# Altium PCB DM1098FFC.PcbDoc (part 1 of 3) (continued)
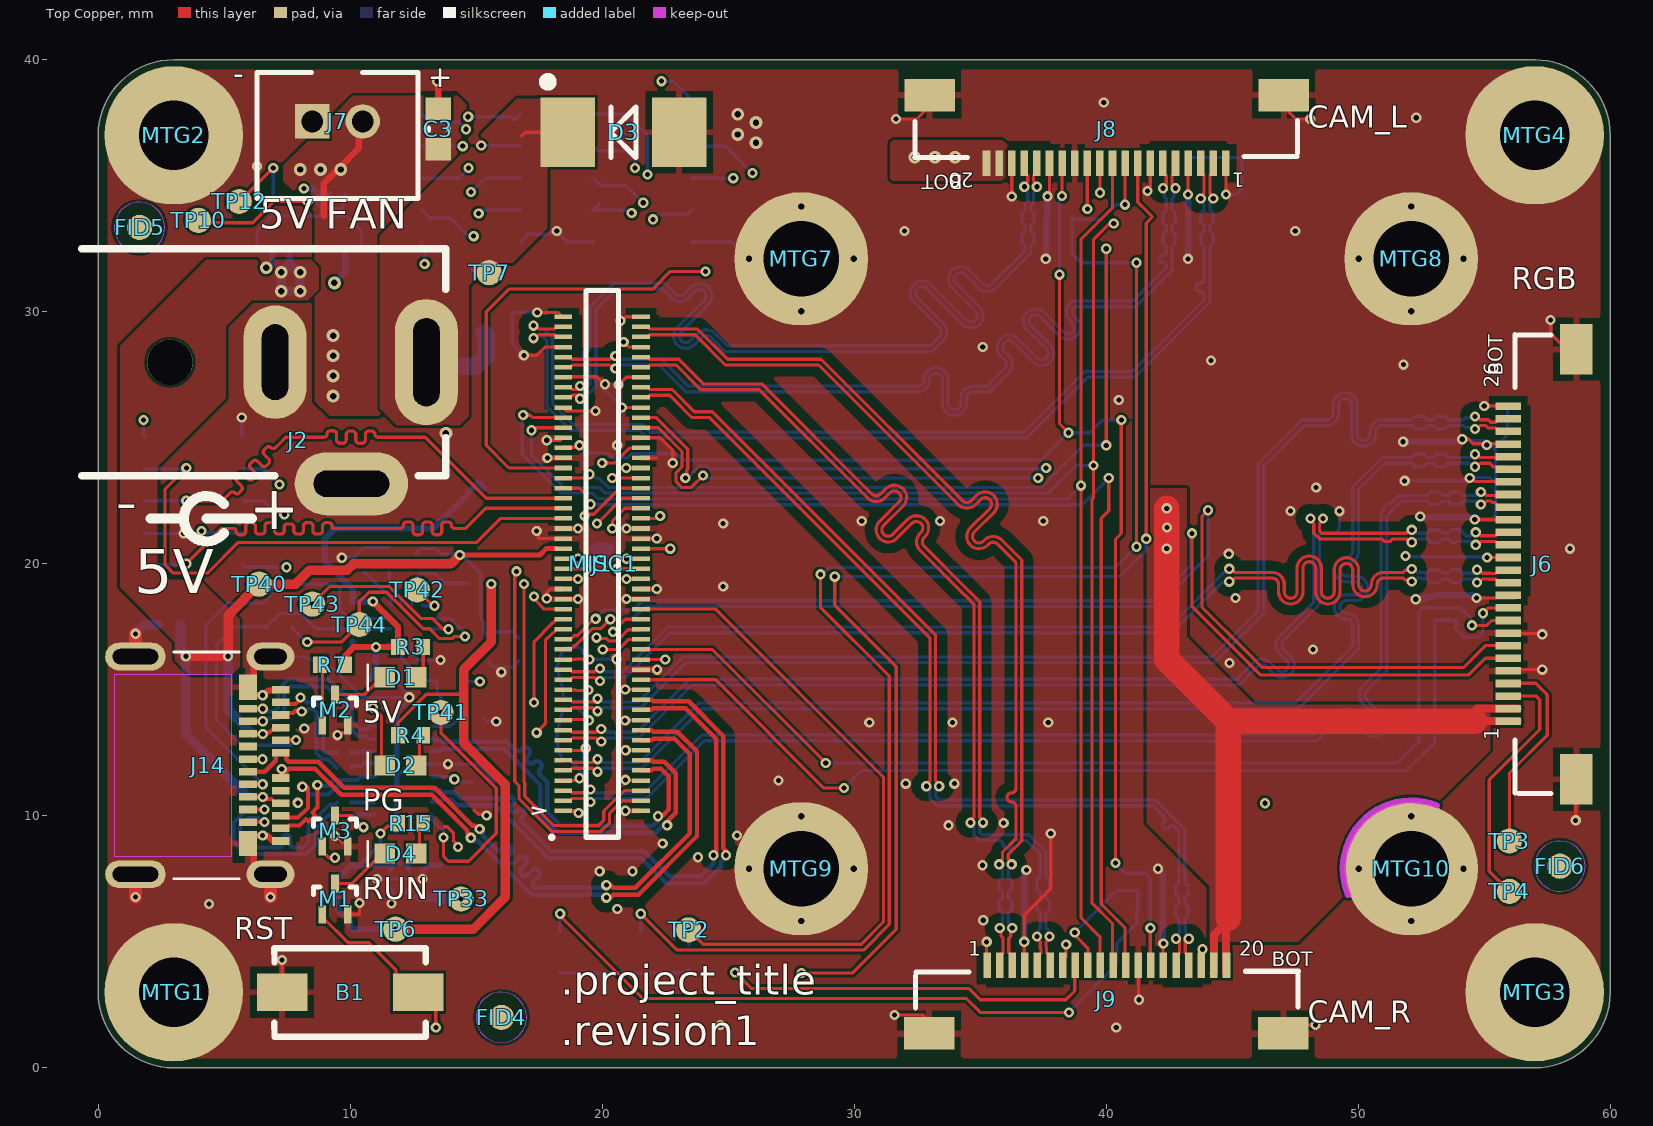
[diagram p0: Top Copper view]
## Components (designator, comment, footprint, x,y, rotation, side; value= is the part's Value field where it differs from the comment) (continued)
R12 "0R 0603" RESC0603(1608)_N 18.333,4.571 r90 bottom
R15 "1K 0402" RESC0402(1005)_N 12.4,9.7 r180 top
R31 "10K 0402" RESC0402(1005)_N 10.55,20.15 r90 bottom
R32 "10K 0402" RESC0402(1005)_N 11.55,20.15 r90 bottom
R183 "10K 0402" RESC0402(1005)_N 15.5,16.6 r90 bottom
R185 "10K 0402" RESC0402(1005)_N 14.8,13.9 r0 bottom
R186 "10K 0402" RESC0402(1005)_N 13.95,15.325 r0 bottom
R187 "1.8MR 0402" RESC0402(1005)_N 12.6,19.9 r270 bottom
R190 "1.8MR 0402" RESC0402(1005)_N 13.6,19.9 r270 bottom
R213 "10K 0402" RESC0402(1005)_N 9.6,16.9 r0 bottom
R214 "10K 0402" RESC0402(1005)_N 9.6,18.5 r0 bottom
RZ28 "10K 0402" RESC0402(1005)_N 7.2,17.5 r180 bottom
RZ29 "10K 0402" RESC0402(1005)_N 7.2,18.6 r180 bottom
TP1 "TP100_200_NS" TP100_200_NS 25.273,3.785 r180 bottom
TP2 "TP100_200_NS" TP100_200_NS 23.432,5.474 r180 top
TP3 "TP100_200_NS" TP100_200_NS 56,9 r180 top
TP4 "TP100_200_NS" TP100_200_NS 56,7 r180 top
TP5 "TP100_200_NS" TP100_200_NS 27.907,3.785 r180 bottom
TP6 "TP100_200_NS" TP100_200_NS 11.8,5.5 r90 top
TP7 "TP100_200_NS" TP100_200_NS 15.516,31.549 r0 top
TP10 "TP100_200_NS" TP100_200_NS 3.981,33.627 r90 top
TP12 "TP100_200_NS" TP100_200_NS 5.6,34.377 r90 top
TP33 "TP100_200_NS" TP100_200_NS 14.4,6.7 r90 top
TP40 "TP100_200_NS" TP100_200_NS 6.39,19.19 r180 top
TP41 "TP100_200_NS" TP100_200_NS 13.6,14.1 r90 top
TP42 "TP100_200_NS" TP100_200_NS 12.661,18.961 r90 top
TP43 "TP100_200_NS" TP100_200_NS 8.5,18.4 r90 top
TP44 "TP100_200_NS" TP100_200_NS 10.365,17.591 r0 top
U1 "TLV70733PDQN" TLV70733PDQN 11.97,7.49 r90 bottom
U2 "1.5A ideal diode" LM66100DCKR 9.8,33.58 r90 bottom
U3 "1.5A ideal diode" LM66100DCKR 6.95,33.58 r90 bottom
U61 "USB Type-C Switch" HD3SS3212RKSR 12.1,11.8 r180 bottom
U62 "USB Type-C Port Control" TUSB321RWBR 12.25,17.625 r270 bottom

## Footprints (in the part's own frame and the unit in brackets; to place one, negate y for a bottom-side part, rotate by r counter-clockwise, add the part's x,y. Pads: shape width x height; smd on the part's side, far side on the other; paste and mask are expansions set on the pad)
1SMB5919BT3G [mm] "Molded, 2-Leads, Body 4.6x3.95mm"
  rect 2.159x2.743 smd: 1(-2.21,0) 2(2.21,0)
  silkscreen extent -3.1,-1 0.5,2.1, body extent -2.3,-1.97 2.3,1.97, height 2.42
105450-0101 [mm] "USB3.1 Type-C Molex SMT, RA, TH"
  rect 0.3x0.7 smd mask+0.05: A1(-3,0.65) A2(-2.5,0.65) A3(-2,0.65) A4(-1.5,0.65) A5(-1,0.65) A6(-0.5,0.65) A7(0.5,0.65) A8(1,0.65) A9(1.5,0.65) A10(2,0.65) A11(2.5,0.65) A12(3,0.65) B2(2.25,-0.65) B3(1.75,-0.65) B4(1.25,-0.65) B5(0.75,-0.65) B6(0.25,-0.65) B7(-0.25,-0.65) B8(-0.75,-0.65) B9(-1.25,-0.65) B10(-1.75,-0.65) B11(-2.25,-0.65)
  rect 1x0.7 smd mask+0.05: B1(3.1,-0.65) B12(-3.1,-0.65)
  oval 1.1x1.9 hole 0.6 slot 1.3 at 90 deg mask+0.05: SH1(-4.32,0.24) SH4(4.32,0.24)
  oval 1.1x2.4 hole 0.6 slot 1.8 at 90 deg mask+0.05: SH2(-4.32,-5.12) SH3(4.32,-5.12)
  Top Copper keep-out region: -3.6,-5.95 3.6,-5.95 3.6,-1.3 -3.6,-1.3
  silkscreen extent -4.5,-3.6 4.5,-1, body extent -4.47,-7.02 4.47,0.88, height 3.2
20021121-00010T1LF [mm] "Connector Header Surface Mount 10 position 0.050\" (1.27mm)   Contact length: 0.120\" (3.05mm)"
  rect 0.76x2.4 smd: 1(-2.54,-1.95) 2(-2.54,1.95) 3(-1.27,-1.95) 4(-1.27,1.95) 5(0,-1.95) 6(0,1.95) 7(1.27,-1.95) 8(1.27,1.95) 9(2.54,-1.95) 10(2.54,1.95)
  body extent -3.18,-2.75 3.17,2.75, height 4.55
5052782033 [mm] "20pin Molex FFC 0.5mm TOP"
  rect 0.3x1 smd: 1(-4.728,1.35) 2(-4.229,1.35) 3(-3.728,1.35) 4(-3.229,1.35) 5(-2.729,1.35) 6(-2.228,1.35) 7(-1.729,1.35) 8(-1.228,1.35) 9(-0.728,1.35) 10(-0.229,1.35) 11(0.272,1.35) 12(0.771,1.35) 13(1.272,1.35) 14(1.772,1.35) 15(2.271,1.35) 16(2.772,1.35) 17(3.271,1.35) 18(3.772,1.35) 19(4.272,1.35) 20(4.771,1.35)
  rect 2x1.3 smd: MP1(-7.029,-1.35) MP2(7.029,-1.35)
  silkscreen extent -7.57,-0.35 7.62,1.11, body extent -7.76,-3.66 7.74,1.64, height 1.88
5052782633 [mm] "26pin Molex FFC 0.5mm TOP"
  rect 0.3x1 smd: 1(0,0) 2(0.5,0) 3(1,0) 4(1.5,0) 5(2,0) 6(2.5,0) 7(3,0) 8(3.5,0) 9(4,0) 10(4.5,0) 11(5,0) 12(5.5,0) 13(6,0) 14(6.5,0) 15(7,0) 16(7.5,0) 17(8,0) 18(8.5,0) 19(9,0) 20(9.5,0) 21(10,0) 22(10.5,0) 23(11,0) 24(11.5,0) 25(12,0) 26(12.5,0)
  rect 2x1.3 smd: MP1(-2.3,-2.7) MP2(14.757,-2.7)
  silkscreen extent -2.87,-1.7 15.34,-0.27, body extent -3.01,-5.08 15.49,0.22, height 1.88
9774030243R [mm] "STANDOFF_M2X0.4_3MM with no pad on bottom of PCB"
  round 5.3 / inner round 2.7 / far side round 2.7 hole 3 mask+0.05: 1(0,0)
  body extent -2.17,-2.17 2.18,2.17, height 3.05
B2B-PH-K-S(LF)(SN) [mm] "3.4mm pins, 6mm housing"
  rect 1.368x1.368 hole 0.86: P1(1,-0.55)
  round 1.368 hole 0.86: P2(-1,-0.55)
  silkscreen extent -3.2,-2.5 3.2,2.5, body extent -2.95,-2.25 2.95,2.25, height 6
BW1099_R3_KTHSNF_Footprint [mm] "Graphical/Mechanical footprint for BW1099"
  body extent -35,-15 5,15, height 19
CAPC0201(0603)33_L [mm] "Chip Capacitor, Body 0.6x0.3mm, Height 0.33mm, IPC High Density"
  rect 0.36x0.32 smd: 1(-0.28,0) 2(0.28,0)
  body extent -0.32,-0.17 0.32,0.17, height 0.33
CAPC0402(1005)70_N [mm] "Chip Capacitor, Body 1.0x0.5mm, Height 0.7mm, IPC Medium Density"
  rect 0.62x0.62 smd: 1(-0.45,0) 2(0.45,0)
  body extent -0.55,-0.3 0.55,0.3, height 0.7
CAPC0603(1608)100_N [mm] "Chip Capacitor, Body 1.6x0.8mm, Height 1.0mm, IPC Medium Density"
  rect 0.9x1 smd: 1(-0.8,0) 2(0.8,0)
  silkscreen extent -0.05,-0.4 0.05,0.4, body extent -0.87,-0.48 0.88,0.47, height 1
DF40HC-3.0-100DS-0.4V_minpad [mm] "3.0MM MATED HEIGHT CONN HDR 100POS 0.4MM SMD GOLD"
  rect 0.7x0.18 smd: 1(1.54,9.8) 2(-1.54,9.8) 3(1.54,9.4) 4(-1.54,9.4) 5(1.54,9) 6(-1.54,9) 7(1.54,8.6) 8(-1.54,8.6) 9(1.54,8.2) 10(-1.54,8.2) 11(1.54,7.8) 12(-1.54,7.8) 13(1.54,7.4) 14(-1.54,7.4) 15(1.54,7) 16(-1.54,7) 17(1.54,6.6) 18(-1.54,6.6) 19(1.54,6.2) 20(-1.54,6.2) 21(1.54,5.8) 22(-1.54,5.8) 23(1.54,5.4) 24(-1.54,5.4) 25(1.54,5) 26(-1.54,5) 27(1.54,4.6) 28(-1.54,4.6) 29(1.54,4.2) 30(-1.54,4.2) 31(1.54,3.8) 32(-1.54,3.8) 33(1.54,3.4) 34(-1.54,3.4) 35(1.54,3) 36(-1.54,3) 37(1.54,2.6) 38(-1.54,2.6) 39(1.54,2.2) 40(-1.54,2.2) 41(1.54,1.8) 42(-1.54,1.8) 43(1.54,1.4) 44(-1.54,1.4) 45(1.54,1) 46(-1.54,1) 47(1.54,0.6) 48(-1.54,0.6) 49(1.54,0.2) 50(-1.54,0.2) 51(1.54,-0.2) 52(-1.54,-0.2) 53(1.54,-0.6) 54(-1.54,-0.6) 55(1.54,-1) 56(-1.54,-1) 57(1.54,-1.4) 58(-1.54,-1.4) 59(1.54,-1.8) 60(-1.54,-1.8) 61(1.54,-2.2) 62(-1.54,-2.2) 63(1.54,-2.6) 64(-1.54,-2.6) 65(1.54,-3) 66(-1.54,-3) 67(1.54,-3.4) 68(-1.54,-3.4) 69(1.54,-3.8) 70(-1.54,-3.8) 71(1.54,-4.2) 72(-1.54,-4.2) 73(1.54,-4.6) 74(-1.54,-4.6) 75(1.54,-5) 76(-1.54,-5) 77(1.54,-5.4) 78(-1.54,-5.4) 79(1.54,-5.8) 80(-1.54,-5.8) 81(1.54,-6.2) 82(-1.54,-6.2) 83(1.54,-6.6) 84(-1.54,-6.6) 85(1.54,-7) 86(-1.54,-7) 87(1.54,-7.4) 88(-1.54,-7.4) 89(1.54,-7.8) 90(-1.54,-7.8) 91(1.54,-8.2) 92(-1.54,-8.2) 93(1.54,-8.6) 94(-1.54,-8.6) 95(1.54,-9) 96(-1.54,-9) 97(1.54,-9.4) 98(-1.54,-9.4) 99(1.54,-9.8) 100(-1.54,-9.8)
  silkscreen extent -0.65,-10.85 2.75,10.88, body extent -1.69,-11.31 1.69,11.29, height 2.85
DTSM-32N-V [mm] "tactile button 160gf"
  rect 2x1.5 smd: 1(-2.7,0) 2(2.7,0)
  silkscreen extent -3.01,-1.76 3,1.75, body extent -3.65,-1.75 3.65,1.75, height 5
FIDUCIAL_ROUND_1MM [mm] "Round, 1mm dia"
  round 1 smd paste-1 mask+0.5: 1(0,0)
  Top Copper keep-out circle w0.025: c0,0 r1
HD3SS3212RKSR [mm] "VQFN-20"
  rrect20% 0.25x0.6 smd mask+0.07: 1(-0.25,2.15) 10(-0.25,-2.15) 11(0.25,-2.15) 20(0.25,2.15)
  rrect20% 0.6x0.25 smd mask+0.07: 2(-1.15,1.75) 3(-1.15,1.25) 4(-1.15,0.75) 5(-1.15,0.25) 6(-1.15,-0.25) 7(-1.15,-0.75) 8(-1.15,-1.25) 9(-1.15,-1.75) 12(1.15,-1.75) 13(1.15,-1.25) 14(1.15,-0.75) 15(1.15,-0.25) 16(1.15,0.25) 17(1.15,0.75) 18(1.15,1.25) 19(1.15,1.75)
  rrect10% 1x3 smd paste-3 mask+0.07: 21(0,0)
  silkscreen extent -1.25,-2.25 1.25,2.53, body extent -1.25,-2.25 1.25,2.25, height 1
LM66100DCKR [mm] "SOT23, 6-Leads, Body 2.00x2.10mm, Pitch 0.65mm, IPC Medium Density"
  rect 0.85x0.35 smd: 1(-1.1,0.65) 2(-1.1,0) 3(-1.1,-0.65) 4(1.1,-0.65) 5(1.1,0) 6(1.1,0.65)
  silkscreen extent -1.22,-1.1 0.3,1.5, body extent -1.2,-1.07 1.2,1.07, height 1.1
MOUNTING_HOLE_M2.5 [mm] "2.7mm dia hole, 5.5mm dia ring"
  round 5.5 / inner round 3 / far side round 5.5 hole 2.75: 1(0,0)
PJ-050AH/NEB21R_COMBO [mm] "PJ-050AH or NEB21R 2.1mm ID, 5.5mm OD, 3pin, 2contact"
  round 0.6 on Top Overlay paste+0.05 mask+0.05: 0(6.21,-2.7)
  oval 5x2.5 hole 1.05 slot 3.5 at 0 deg mask+0.05: 1(0,6.025)
  oval 2.5x4.5 hole 1.05 slot 3 at 90 deg mask+0.05: 2(4.825,3.05)
  oval 4.5x2.5 hole 1.05 slot 3 at 0 deg mask+0.05: 3(0,0.025)
  round 1.8 hole 1.8 unplated: ""(0,-4.15)
  silkscreen extent -4.5,-7.65 7.11,6.8, body extent -4.5,-7.65 5.2,6.85, height 11.05
RE1C002UNTCL [mm] "ROHM SOT-416FL"
  rect 0.3x0.71 smd: 1(-0.5,-0.61) 2(0.5,-0.61) 3(0,0.61)
  silkscreen extent -0.85,0.18 0.85,0.48, body extent -0.95,-1.06 0.95,1.06, height 0.25
RESC0402(1005)_N [mm] "Chip Resistor, Body 1.0x0.5mm, IPC Medium Density"
  rect 0.55x0.65 smd: 1(-0.5,0) 2(0.5,0)
  body extent -0.52,-0.27 0.53,0.28, height 0.4
RESC0603(1608)_N [mm] "Chip Resistor, Body 1.6x0.8mm, IPC Medium Density"
  rect 0.9x1 smd: 1(-0.8,0) 2(0.8,0)
  silkscreen extent -0.05,-0.4 0.05,0.4, body extent -0.85,-0.47 0.85,0.47, height 0.6
SML_D1xx8W [mm] "Rohm LED SML_D1 series - Chip Diode, 2-Leads, Body 1.60x0.80mm, IPC High Density"
  rect 0.8x0.8 smd: 1(-0.625,0) 2(0.625,0)
  silkscreen extent -1.3,-0.5 -1.3,0.5, body extent -0.8,-0.4 0.8,0.4, height 0.6
TLV70733PDQN [mm] "DFN, 4-Leads, Body 1.00x1.00mm, Pitch 0.65mm, IPC High Density"
  rect 0.15x0.15 smd mask+0: 1(-0.51,0.33) 2(-0.51,-0.33) 3(0.51,-0.33)
  rect 0.15x0.15 smd paste+0 mask+0: 4(0.51,0.33)
  rect 0.48x0.48 smd rot 45 mask+0.05: 5(0,0)
  Top Copper region: 0.25,0.43 0.61,0.43 0.61,0.22 0.43,0.22 0.25,0.4
  Top Copper region: -0.25,-0.43 -0.61,-0.43 -0.61,-0.22 -0.43,-0.22 -0.25,-0.4
  Top Copper region: -0.25,0.43 -0.61,0.43 -0.61,0.22 -0.43,0.22 -0.25,0.4
  Top Copper region: 0.25,-0.43 0.61,-0.43 0.61,-0.22 0.43,-0.22 0.25,-0.4
  silkscreen extent -0.54,0.75 -0.48,0.8, body extent -0.5,-0.5 0.5,0.5, height 0.34
TP100_200_NS [mm] "1mm dia pad, 2mm dia clearance, no silk screen"
  round 1 smd paste-2: 1(0,0)
TPD4E02B04DQAR [mm] "TPD4E02B04DQAR"
  rrect50% 0.2x0.565 smd mask+0.07: 1(-1,-0.417) 2(-0.5,-0.417) 4(0.5,-0.417) 5(1,-0.417) 6(1,0.417) 7(0.5,0.417) 9(-0.5,0.417) 10(-1,0.417)
  rrect25% 0.4x0.565 smd mask+0.07: 3(0,-0.417) 8(0,0.417)
  silkscreen extent -1.4,-1.01 1.4,0.5, body extent -1.2,-0.71 1.2,0.71, height 0.55
TUSB321RWBR [mm] "X2QFN-12 1.6x1.6"
  rrect50% 0.2x0.7 smd mask+0.05: 1(0.2,0.65) 2(-0.2,0.65) 7(-0.2,-0.65) 8(0.2,-0.65)
  rrect50% 0.5x0.2 smd mask+0.05: 3(-0.75,0.6) 4(-0.75,0.2) 5(-0.75,-0.2) 6(-0.75,-0.6) 9(0.75,-0.6) 10(0.75,-0.2) 11(0.75,0.2) 12(0.75,0.6)
  silkscreen extent 0.57,0.97 0.63,1.03, body extent -0.8,-0.8 0.8,0.8, height 0.4

## Part data
B1: library part DTSM-32N-V, "SWITCH TACTILE SMT 3.5mm * 6mm , brown 160gf", Manufacturer 1=Diptronics, Manufacturer Part Number 1=DTSM-32N-V-T/R, Max Operating Temperature=80°C, Min Operating Temperature=-30°C, Supplier Part Number 1=113-DTSM32NVTR, ComponentLink1Description=https://datasheet.ciiva.com/29188/708548-da-01-en-tastschalter-smd-dtsm-32n-v-tr-1600st-29188823.pdf?src-supplier=Conrad, ComponentLink1URL=https://datasheet.ciiva.com/29188/708548-da-01-en-tastschalter-smd-dtsm-32n-v-tr-1600st-29188823.pdf?src-supplier=Conrad, Height=5mm, Length=6mm, Pricing 1="1=0.38000, 10=0.38000, 50=0.31000, 100=0.28200, 500=0.25600, 1000=0.23600, 1600=0.20900, 4800=0.18800, 9600=0.17300, 10000=0.17300, 24000=0.16100 (USD)", RoHS=No, Stock 1=3199, Supplier 1=Mouser, Width=3.5mm
C1: library part GRM188R61A106ME69D, "CAP CER 10UF 10V X5R 0603 20%", Capacitance=10uF, Case/Package=0603, Case Code (Metric)=1608, Dielectric=X5R, Manufacturer 1=Murata, Max Operating Temperature=85°C, Min Operating Temperature=-55°C, Package Quantity=4000, Supplier Part Number 1=490-10475-1-ND, Tolerance=20%, Voltage Rating=10V, Case Code (Imperial)=0603, ComponentLink1Description=http://www.mouser.com/ds/2/281/c02e-2905.pdf?src-supplier=Mouser, ComponentLink1URL=http://www.mouser.com/ds/2/281/c02e-2905.pdf?src-supplier=Mouser, ComponentLink2Description=http://components.arrow.com/part/dataview/0323_06119472?src-supplier=Arrow+Europe, ComponentLink2URL=http://components.arrow.com/part/dataview/0323_06119472?src-supplier=Arrow+Europe, ComponentLink3Description=http://www.farnell.com/datasheets/2048014.pdf?src-supplier=Farnell, ComponentLink3URL=http://www.farnell.com/datasheets/2048014.pdf?src-supplier=Farnell, ComponentLink4Description=http://www.farnell.com/datasheets/1872210.pdf?src-supplier=Farnell, ComponentLink4URL=http://www.farnell.com/datasheets/1872210.pdf?src-supplier=Farnell, ComponentLink5Description=http://search.murata.co.jp/Ceramy/image/img/A01X/G101/ENG/GRM188R61A106ME69-01.pdf?src-supplier=Digi-Key, ComponentLink5URL=http://search.murata.co.jp/Ceramy/image/img/A01X/G101/ENG/GRM188R61A106ME69-01.pdf?src-supplier=Digi-Key, ComponentLink6Description=http://www.farnell.com/datasheets/1872210.pdf?src-supplier=Newark, ComponentLink6URL=http://www.farnell.com/datasheets/1872210.pdf?src-supplier=Newark, ComponentLink7Description=http://www.farnell.com/datasheets/2048014.pdf?src-supplier=Element14, ComponentLink7URL=http://www.farnell.com/datasheets/2048014.pdf?src-supplier=Element14, ComponentLink8Description=http://www.farnell.com/datasheets/2048014.pdf?src-supplier=Newark, ComponentLink8URL=http://www.farnell.com/datasheets/2048014.pdf?src-supplier=Newark, Depth=0.8mm, Height=0.8mm, Lead Free="Lead Free", Length=1.6mm, Manufacturer Part Number 1=GRM188R61A106ME69D, Material=Ceramic, Mount="Surface Mount", Packaging="Tape and Reel", Pricing 1="1=0.21000, 10=0.14100, 100=0.07130, 500=0.04876, 1000=0.04313 (USD)", REACH SVHC=Unknown, RoHS=Yes, Stock 1=2873098, Supplier 1=Digi-Key, Termination=SMD/SMT, Thickness=0.035inch, Voltage Rating (DC)=10V, Weight=0.000222oz, Width=0.8mm
C2: library part GRM155R61E105KA12D, "CAP CER 1UF 25V X5R 0402 10%", Capacitance=1uF, Case/Package=0402, Case Code (Metric)=1005, Dielectric=X5R, Manufacturer 1=Murata, Max Operating Temperature=85°C, Min Operating Temperature=-55°C, Package Quantity=10000, Supplier Part Number 1=490-10017-1-ND, Tolerance=10%, Voltage=25V, Case Code (Imperial)=0402, ComponentLink1Description=https://datasheet.ciiva.com/22732/1666664-22732122.pdf?src-supplier=Element14, ComponentLink1URL=https://datasheet.ciiva.com/22732/1666664-22732122.pdf?src-supplier=Element14, ComponentLink2Description=https://datasheet.ciiva.com/7719/1666664-7719006.pdf?src-supplier=Element14, ComponentLink2URL=https://datasheet.ciiva.com/7719/1666664-7719006.pdf?src-supplier=Element14, Depth=0.5mm, Height=0.5mm, Lead Free="Lead Free", Length=1mm, Manufacturer Part Number 1=GRM155R61E105KA12D, Material=Ceramic, Mount="Surface Mount", Packaging="Tape and Reel", Pricing 1="1=0.10000, 10=0.07100, 100=0.03350, 500=0.02352, 1000=0.01947, 2500=0.01812, 5000=0.01658 (USD)", REACH SVHC="No SVHC", RoHS=Yes, Stock 1=200653, Supplier 1=Digi-Key, Termination=SMD/SMT, Thickness=0.022inch, Voltage Rating=25V, Voltage Rating (DC)=25V, Weight=0.000212oz, Width=0.5mm
C3 C4: library part GRM188R61A226ME15D, "CAP CER 22UF 10V X5R 0603 20%", Capacitance=22uF, Case/Package=0603, Case Code (Metric)=1608, Dielectric=X5R, Manufacturer 1=Murata, Max Operating Temperature=85°C, Min Operating Temperature=-55°C, Package Quantity=4000, Supplier Part Number 1=490-10476-1-ND, Tolerance=20%, Voltage Rating=10V, Case Code (Imperial)=0603, ComponentLink1Description=https://datasheet.ciiva.com/46444/1769893-46444975.pdf?src-supplier=Element14, ComponentLink1URL=https://datasheet.ciiva.com/46444/1769893-46444975.pdf?src-supplier=Element14, Depth=0.8mm, Height=0.8mm, Lead Free="Lead Free", Length=1.6mm, Manufacturer Part Number 1=GRM188R61A226ME15D, Material=Ceramic, Mount="Surface Mount", Packaging="Tape and Reel", Pricing 1="1=0.31000, 10=0.21500, 100=0.12160, 500=0.08584, 1000=0.07512 (USD)", REACH SVHC="No SVHC", RoHS=Yes, Stock 1=984716, Supplier 1=Digi-Key, Termination=SMD/SMT, Thickness=0.039inch, Voltage Rating (DC)=10V, Weight=0.000222oz, Width=0.8mm
C5 C6: library part GRM155R61E105KA12D, "CAP CER 1UF 25V X5R 0402 10%", Capacitance=1uF, Case Code (Imperial)=0402, Case Code (Metric)=1005, Dielectric=X5R, Manufacturer 1=Murata, Max Operating Temperature=85°C, Min Operating Temperature=-55°C, Package Quantity=10000, Supplier Part Number 1=490-10017-1-ND, Tolerance=10%, Voltage=25V, Case/Package=0402, ComponentLink1Description=https://datasheet.ciiva.com/22732/1666664-22732122.pdf?src-supplier=Element14, ComponentLink1URL=https://datasheet.ciiva.com/22732/1666664-22732122.pdf?src-supplier=Element14, ComponentLink2Description=https://datasheet.ciiva.com/7719/1666664-7719006.pdf?src-supplier=Element14, ComponentLink2URL=https://datasheet.ciiva.com/7719/1666664-7719006.pdf?src-supplier=Element14, Depth=0.5mm, Height=0.5mm, Lead Free="Lead Free", Length=1mm, Manufacturer Part Number 1=GRM155R61E105KA12D, Material=Ceramic, Mount="Surface Mount", Packaging="Tape and Reel", Pricing 1="1=0.10000, 10=0.07100, 100=0.03350, 500=0.02352, 1000=0.01947, 2500=0.01812, 5000=0.01658 (USD)", REACH SVHC="No SVHC", RoHS=Yes, Stock 1=200653, Supplier 1=Digi-Key, Termination=SMD/SMT, Thickness=0.022inch, Voltage Rating=25V, Voltage Rating (DC)=25V, Weight=0.000212oz, Width=0.5mm
  C6: Supplier 2=Arrow, Supplier 3=TTI, Supplier Part Number 2=GRM155R61E105KA12D, Supplier Part Number 3=GRM155R61E105KA12D
C73 C74 C76 C207: library part GRM155R60J106ME15D, "CAP CER 10UF 6.3V X5R 0402 20%", Capacitance=10uF, Case/Package=0402, Case Code (Metric)=1005, Dielectric=X5R, Manufacturer 1=Murata, Max Operating Temperature=85°C, Min Operating Temperature=-55°C, Supplier Part Number 1=490-13238-1-ND, Tolerance=20%, Voltage Rating=6.3V, Case Code (Imperial)=0402, ComponentLink1Description=https://www.murata.com/~/media/webrenewal/support/library/catalog/products/capacitor/mlcc/c02e.ashx?la=en-us&src-supplier=Digi-Key, ComponentLink1URL=https://www.murata.com/~/media/webrenewal/support/library/catalog/products/capacitor/mlcc/c02e.ashx?la=en-us&src-supplier=Digi-Key, Length=0.039inch, Manufacturer Part Number 1=GRM155R60J106ME15D, Mount="Surface Mount", Packaging="Tape and Reel", Pricing 1="1=0.23000, 10=0.15700, 100=0.07950, 500=0.05442, 1000=0.04814, 2500=0.04605, 5000=0.04186 (USD)", RoHS=Yes, Stock 1=1839627, Supplier 1=Digi-Key, Thickness=0.026inch, Voltage Rating (DC)=6.3V, Width=0.02inch
C208 C209 C211 C212: library part GRM033R61A104KE15D, "CAP CER 0.1UF 10V X5R 0201", Capacitance=100nF, Case/Package=0201, Case Code (Metric)=0603, Dielectric=X5R, Manufacturer 1=Murata, Max Operating Temperature=85°C, Min Operating Temperature=-55°C, Package Quantity=1, Supplier Part Number 1=490-5881-1-ND, Tolerance=10%, Voltage=10V, Case Code (Imperial)=0201, ComponentLink1Description=https://datasheet.ciiva.com/26843/getdatasheetpartid-308656-26843739.pdf?src-supplier=Verical, ComponentLink1URL=https://datasheet.ciiva.com/26843/getdatasheetpartid-308656-26843739.pdf?src-supplier=Verical, ComponentLink2Description=https://datasheet.ciiva.com/5413/product-5413117.pdf?src-supplier=Mouser, ComponentLink2URL=https://datasheet.ciiva.com/5413/product-5413117.pdf?src-supplier=Mouser, ComponentLink3Description=https://datasheet.ciiva.com/6256/partnumbering-e-01-6256406.pdf?src-supplier=Digi-Key, ComponentLink3URL=https://datasheet.ciiva.com/6256/partnumbering-e-01-6256406.pdf?src-supplier=Digi-Key, ComponentLink4Description=https://datasheet.ciiva.com/6256/partnumbering-e-01-6256407.pdf?src-supplier=Digi-Key, ComponentLink4URL=https://datasheet.ciiva.com/6256/partnumbering-e-01-6256407.pdf?src-supplier=Digi-Key, ComponentLink5Description=https://datasheet.ciiva.com/6256/partnumbering-e-01-6256408.pdf?src-supplier=Digi-Key, ComponentLink5URL=https://datasheet.ciiva.com/6256/partnumbering-e-01-6256408.pdf?src-supplier=Digi-Key, Depth=0.3mm, Height=0.3mm, Lead Free="Lead Free", Length=0.6mm, Manufacturer Part Number 1=GRM033R61A104KE15D, Mount="Surface Mount", Packaging="Tape and Reel", Pricing 1="1=0.10000, 10=0.04200, 100=0.01860, 500=0.01330, 1000=0.01045, 2500=0.00950, 5000=0.00874 (USD)", Radiation Hardening=No, REACH SVHC="No SVHC", RoHS=Yes, Stock 1=45335312, Supplier 1=Digi-Key, Termination=SMD/SMT, Thickness=0.013inch, Voltage Rating=10V, Voltage Rating (DC)=10V, Weight=6E-06oz, Width=0.012inch
D1: library part SML-D12U8WT86, "LED RED DIFFUSED 0603 SMD Red 620nm LED Indication - Discrete 2.2V 0603 (1608 Metric)", Case/Package=0603, Case Code (Metric)=1608, Color=Red, Forward Current=20mA, Forward Voltage=2.2V, Lens Color=White,Clear,Diffused, Manufacturer 1=Rohm, Max Operating Temperature=85°C, Min Operating Temperature=-40°C, Package Quantity=1, Supplier Part Number 1=511-1580-1-ND, Case Code (Imperial)=0603, ComponentLink1Description=https://datasheet.ciiva.com/11774/0900766b80df3ada-11774020.pdf?src-supplier=RSComponents, ComponentLink1URL=https://datasheet.ciiva.com/11774/0900766b80df3ada-11774020.pdf?src-supplier=RSComponents, ComponentLink2Description=https://datasheet.ciiva.com/2110/sml-d1-2110375.pdf?src-supplier=Digi-Key, ComponentLink2URL=https://datasheet.ciiva.com/2110/sml-d1-2110375.pdf?src-supplier=Digi-Key, ComponentLink3Description=https://datasheet.ciiva.com/2110/sml-d1-2110376.pdf?src-supplier=Digi-Key, ComponentLink3URL=https://datasheet.ciiva.com/2110/sml-d1-2110376.pdf?src-supplier=Digi-Key, ComponentLink4Description=https://datasheet.ciiva.com/2110/sml-d1-2110377.pdf?src-supplier=Digi-Key, ComponentLink4URL=https://datasheet.ciiva.com/2110/sml-d1-2110377.pdf?src-supplier=Digi-Key, ComponentLink5Description=https://datasheet.ciiva.com/9324/sml-d1-9324826.pdf?src-supplier=Avnet, ComponentLink5URL=https://datasheet.ciiva.com/9324/sml-d1-9324826.pdf?src-supplier=Avnet, ComponentLink6Description=https://datasheet.ciiva.com/17420/sml-d1-17420939.pdf?src-supplier=Avnet+Europe, ComponentLink6URL=https://datasheet.ciiva.com/17420/sml-d1-17420939.pdf?src-supplier=Avnet+Europe, Dominant Wavelength=620nm, Height=0.65mm, Illumination Color=Red, Lead Free="Lead Free", Length=1.6mm, Lens Style=Rectangular,Diffused,Colorless, Lens Transparency=Diffused, Luminous Intensity=63mcd, Manufacturer Part Number 1=SML-D12U8WT86, Mount="Surface Mount", Number of LEDs=1, Number of Pins=2, Packaging="Tape and Reel", Pricing 1="1=0.33000, 10=0.23900, 100=0.11340, 500=0.07560, 1000=0.05922 (USD)", Radiation Hardening=No, REACH SVHC="No SVHC", RoHS=Yes, Stock 1=63748, Supplier 1=Digi-Key, Test Current=20mA, Viewing Angle=160°, Wavelength=620nm, Width=0.8mm
D2 D4: library part SML-D12D8WT86, "LED ORANGE DIFFUSED 0603 SMD Orange 605nm LED Indication - Discrete 2.2V 0603 (1608 Metric)", Case/Package=0603, Case Code (Metric)=1608, Color=Orange, Forward Current=20mA, Forward Voltage=2.2V, Lens Color=White, Manufacturer 1=Rohm, Max Operating Temperature=85°C, Min Operating Temperature=-40°C, Package Quantity=1, Supplier Part Number 1=511-1577-1-ND, Case Code (Imperial)=0603, ComponentLink1Description=https://datasheet.ciiva.com/2115/sml-d1-2115577.pdf?src-supplier=Digi-Key, ComponentLink1URL=https://datasheet.ciiva.com/2115/sml-d1-2115577.pdf?src-supplier=Digi-Key, ComponentLink2Description=https://datasheet.ciiva.com/2115/sml-d1-2115578.pdf?src-supplier=Digi-Key, ComponentLink2URL=https://datasheet.ciiva.com/2115/sml-d1-2115578.pdf?src-supplier=Digi-Key, ComponentLink3Description=https://datasheet.ciiva.com/3161/sml-d1-3161418.pdf?src-supplier=Avnet, ComponentLink3URL=https://datasheet.ciiva.com/3161/sml-d1-3161418.pdf?src-supplier=Avnet, ComponentLink4Description=https://datasheet.ciiva.com/16387/sml-d1-16387850.pdf?src-supplier=Future+Electronics, ComponentLink4URL=https://datasheet.ciiva.com/16387/sml-d1-16387850.pdf?src-supplier=Future+Electronics, ComponentLink5Description=https://datasheet.ciiva.com/2115/sml-d1-2115579.pdf?src-supplier=Digi-Key, ComponentLink5URL=https://datasheet.ciiva.com/2115/sml-d1-2115579.pdf?src-supplier=Digi-Key, ComponentLink6Description=https://datasheet.ciiva.com/17419/sml-d1-17419886.pdf?src-supplier=Avnet+Europe, ComponentLink6URL=https://datasheet.ciiva.com/17419/sml-d1-17419886.pdf?src-supplier=Avnet+Europe, Dominant Wavelength=605nm, Height=0.65mm, Illumination Color=Orange, Lead Free="Lead Free", Length=1.6mm, Lens Style=Diffused,Colorless,Rectangular, Lens Transparency=Diffused, Luminous Intensity=100mcd, Manufacturer Part Number 1=SML-D12D8WT86, Mount="Surface Mount", Number of LEDs=1, Number of Pins=2, Packaging="Tape and Reel", Pricing 1="1=0.33000, 10=0.23900, 100=0.11340, 500=0.07560, 1000=0.05922 (USD)", Radiation Hardening=No, REACH SVHC=Unknown, RoHS=Yes, Stock 1=29355, Supplier 1=Digi-Key, Test Current=20mA, Viewing Angle=160°, Wavelength=605nm, Width=0.8mm
D3: library part 1SMB5919BT3G, "DIODE ZENER 5.6V 3W SMB", Breakdown Voltage=5.88V, Case/Package=SMB, Forward Voltage=1.5V, Manufacturer 1="ON Semiconductor", Max Operating Temperature=150°C, Max Power Dissipation=3W, Max Reverse Leakage Current=5uA, Min Operating Temperature=-65°C, Package Quantity=1, Power Dissipation=550mW, Supplier Part Number 1=1SMB5919BT3GOSTR-ND, Test Current=66.9mA, Tolerance=5%, Voltage Rating (DC)=5.6V, Zener Current=267mA, Category="Zener Diodes", ComponentLink1Description=https://datasheet.ciiva.com/27747/1308331-27747654.pdf?src-supplier=Jameco, ComponentLink1URL=https://datasheet.ciiva.com/27747/1308331-27747654.pdf?src-supplier=Jameco, ComponentLink2Description=https://datasheet.ciiva.com/1182/1smb5913bt3-d-1182657.pdf?src-supplier=Element14, ComponentLink2URL=https://datasheet.ciiva.com/1182/1smb5913bt3-d-1182657.pdf?src-supplier=Element14, ComponentLink3Description=https://datasheet.ciiva.com/1182/1smb5913bt3-d-1182658.pdf?src-supplier=Element14, ComponentLink3URL=https://datasheet.ciiva.com/1182/1smb5913bt3-d-1182658.pdf?src-supplier=Element14, ComponentLink4Description=https://datasheet.ciiva.com/895/1smb5913bt3-d-895203.pdf?src-supplier=Digi-Key, ComponentLink4URL=https://datasheet.ciiva.com/895/1smb5913bt3-d-895203.pdf?src-supplier=Digi-Key, ComponentLink5Description=https://datasheet.ciiva.com/895/1smb5913bt3-d-895204.pdf?src-supplier=Digi-Key, ComponentLink5URL=https://datasheet.ciiva.com/895/1smb5913bt3-d-895204.pdf?src-supplier=Digi-Key, ComponentLink6Description=https://datasheet.ciiva.com/895/1smb5913bt3-d-895205.pdf?src-supplier=Digi-Key, ComponentLink6URL=https://datasheet.ciiva.com/895/1smb5913bt3-d-895205.pdf?src-supplier=Digi-Key, ComponentLink7Description=https://datasheet.ciiva.com/15198/getdatasheetpartid-311040-15198695.pdf?src-supplier=Verical, ComponentLink7URL=https://datasheet.ciiva.com/15198/getdatasheetpartid-311040-15198695.pdf?src-supplier=Verical, ComponentLink8Description=https://datasheet.ciiva.com/16311/1smb5913bt3-d-16311847.pdf?src-supplier=Future+Electronics, ComponentLink8URL=https://datasheet.ciiva.com/16311/1smb5913bt3-d-16311847.pdf?src-supplier=Future+Electronics, ComponentLink9Description=https://datasheet.ciiva.com/16472/1smb5913bt3-d-16472779.pdf?src-supplier=Avnet+Asia, ComponentLink9URL=https://datasheet.ciiva.com/16472/1smb5913bt3-d-16472779.pdf?src-supplier=Avnet+Asia, Contact Plating=Tin,Matte, Element Configuration=Single, ESD Protection=Yes, Halogen Free="Halogen Free", Height=2.13mm, Impedance=2R, Lead Free="Lead Free", Length=4.32mm, Manufacturer Part Number 1=1SMB5919BT3G, Material=Plastic, Number of Pins=2, Packaging="Tape and Reel", Peak Reverse Current=5uA, Power Rating=3W, Pricing 1="2500=0.08908, 5000=0.08384, 12500=0.07860, 25000=0.07598, 62500=0.07074 (USD)", Radiation Hardening=No, REACH SVHC="No SVHC", RoHS=Yes, Stock 1=59012, Supplier 1=Digi-Key, Supplier 2=Avnet, Supplier 3=Newark, Supplier 4=LCSC, Supplier 5="Avnet Europe", Supplier Part Number 2=1SMB5919BT3G, Supplier Part Number 3=67R1406, Supplier Part Number 4=C70260, Supplier Part Number 5=1SMB5919BT3G, Voltage Tolerance=5%, Width=3.56mm, Working Voltage=5.6V, Zener Voltage=5.6V
D5 D6 D7 D8 D9 D10 D11: "TVS DIODE 3.6V 8.8V 10USON 8.8V (Typ) Clamp 5A (8/20µs) Ipp Tvs Diode Surface Mount 10-USON (2.5x1)", Clamping Voltage=8.8V, Manufacturer 1="Texas Instruments", Max Operating Temperature=125°C, Min Breakdown Voltage=5.5V, Min Operating Temperature=-40°C, Operating Supply Voltage=3.6V, Peak Pulse Current=5A, Peak Pulse Power=17W, Power Line Protection=No, Supplier Part Number 1=296-43875-1-ND, ComponentLink1Description=http://www.ti.com/general/docs/lit/getliterature.tsp?genericPartNumber=TPD4E02B04&amp;&amp;fileType=pdf&src-supplier=Element14, ComponentLink1URL=http://www.ti.com/general/docs/lit/getliterature.tsp?genericPartNumber=TPD4E02B04&amp;&amp;fileType=pdf&src-supplier=Element14, ComponentLink2Description=http://www.ti.com/lit/ds/symlink/tpd4e02b04.pdf?src-supplier=Farnell, ComponentLink2URL=http://www.ti.com/lit/ds/symlink/tpd4e02b04.pdf?src-supplier=Farnell, ComponentLink3Description=http://www.ti.com/lit/ds/symlink/tpd4e02b04.pdf?src-supplier=Newark, ComponentLink3URL=http://www.ti.com/lit/ds/symlink/tpd4e02b04.pdf?src-supplier=Newark, ComponentLink4Description=http://www.ti.com/lit/ds/symlink/tpd4e02b04.pdf?src-supplier=Digi-Key, ComponentLink4URL=http://www.ti.com/lit/ds/symlink/tpd4e02b04.pdf?src-supplier=Digi-Key, Composition=Zener, Interface=USB,HDMI, Lead Free="Lead Free", Manufacturer Part Number 1=TPD4E02B04DQAR, Mount="Surface Mount", Number of Bidirectional Channels=4, Number of Channels=4, Number of Pins=10, Packaging="Cut Tape", Pricing 1="1=0.69000, 10=0.60800, 100=0.46650, 500=0.36874, 1000=0.29499 (USD)", REACH SVHC="No SVHC", Reverse Standoff Voltage=3.6V, RoHS=Yes, Stock 1=25615, Supplier 1=Digi-Key
FID1 FID2 FID3 FID4 FID5 FID6: library part FIDUCIAL, "Fiducial with various available footprints"
J1: library part DF40HC(3.0)-100DS-0.4V_BW1099_G2, "CONN RCPT 100POS 0.4MM SMD GOLD", Manufacturer 1=Hirose, Manufacturer Part Number 1=DF40HC(3.0)-100DS-0.4V(51, Manufacturer Part Number 2=DF40HC(3.0)-100DS-0.4V(58), Package Quantity=1000, Supplier Part Number 1=798-DF40HC30100DS451, ComponentLink1Description=https://datasheet.ciiva.com/46636/ed-df40-20140305-46636517.pdf?src-supplier=Digi-Key, ComponentLink1URL=https://datasheet.ciiva.com/46636/ed-df40-20140305-46636517.pdf?src-supplier=Digi-Key, ComponentLink2Description=https://datasheet.ciiva.com/18562/ed-df40-20140305-18562189.pdf?src-supplier=Digi-Key, ComponentLink2URL=https://datasheet.ciiva.com/18562/ed-df40-20140305-18562189.pdf?src-supplier=Digi-Key, ComponentLink3Description=https://datasheet.ciiva.com/13559/ed-df40-20140305-13559540.pdf?src-supplier=Mouser, ComponentLink3URL=https://datasheet.ciiva.com/13559/ed-df40-20140305-13559540.pdf?src-supplier=Mouser, ComponentLink4Description=https://datasheet.ciiva.com/18562/ed-df40-20140305-18562462.pdf?src-supplier=Digi-Key, ComponentLink4URL=https://datasheet.ciiva.com/18562/ed-df40-20140305-18562462.pdf?src-supplier=Digi-Key, Connector Type=Receptacle, Contact Plating=Gold, Lead Free="Lead Free", Manufacturer 2=Hirose, Mated Stacking Height=3mm, Mount="Surface Mount", Number of Positions=100, Number of Rows=2, Packaging="Tape and Reel", Pitch=0.016inch, Pricing 1="1=2.54000, 10=2.26000, 25=2.07000, 50=2.07000, 100=1.98000, 250=1.79000, 500=1.65000, 1000=1.41000, 3000=1.32000, 6000=1.23000, 10000=1.23000 (USD)", Pricing 2="1=2.50000, 10=2.40000, 25=2.10000, 50=2.10000, 100=2.00000, 250=1.76000, 500=1.71000, 1000=1.45000, 2000=1.36000, 5000=1.31000, 10000=1.31000 (USD)", RoHS=Yes, Stock 1=2172, Stock 2=2078, Supplier 1=Mouser, Supplier 2=Mouser, Supplier Part Number 2=798-DF40HC30100DS458
J2: library part PJ-050AH/NEB21R_COMBO, "CONN POWER PIN 2 POS RA PTH Barrel jack 2.1mm x 5.5mm combo footprint", Color=Black, Current Rating=5A, Flammability Rating="UL94 V-0", Insulation Resistance=100MR, Manufacturer 1=CUI, Manufacturer 2=Lumberg, Manufacturer Part Number 1=PJ-050AH, Manufacturer Part Number 2="NEB 21 R", Max Current Rating=3A, Max Operating Temperature=85°C, Max Voltage Rating (DC)=12V, Min Operating Temperature=-25°C, Package Quantity=500, Supplier Part Number 1=490-PJ-050AH, Voltage Rating=24V, ComponentLink1Description=http://www.mouser.com/ds/2/670/PJ-050AH-524150.pdf?src-supplier=Mouser, ComponentLink1URL=http://www.mouser.com/ds/2/670/PJ-050AH-524150.pdf?src-supplier=Mouser, ComponentLink2Description=https://www.cui.com/product/resource/digikeypdf/pj-050ah.pdf?src-supplier=Digi-Key, ComponentLink2URL=https://www.cui.com/product/resource/digikeypdf/pj-050ah.pdf?src-supplier=Digi-Key, ComponentLink3Description=http://datasheet.octopart.com/PJ-050AH-CUI-datasheet-15696426.pdf?src-supplier=CUI, ComponentLink3URL=http://datasheet.octopart.com/PJ-050AH-CUI-datasheet-15696426.pdf?src-supplier=CUI, ComponentLink4Description=http://datasheet.octopart.com/PJ-050AH-CUI-datasheet-62089837.pdf?src-supplier=CUI, ComponentLink4URL=http://datasheet.octopart.com/PJ-050AH-CUI-datasheet-62089837.pdf?src-supplier=CUI, ComponentLink5Description=http://datasheet.octopart.com/PJ-050AH-CUI-datasheet-65972796.pdf?src-supplier=CUI, ComponentLink5URL=http://datasheet.octopart.com/PJ-050AH-CUI-datasheet-65972796.pdf?src-supplier=CUI, ComponentLink6Description=http://datasheet.octopart.com/PJ-050AH-CUI-datasheet-103766550.pdf?src-supplier=CUI, ComponentLink6URL=http://datasheet.octopart.com/PJ-050AH-CUI-datasheet-103766550.pdf?src-supplier=CUI, ComponentLink7Description=http://datasheet.octopart.com/PJ-050AH-CUI-datasheet-103111417.pdf?src-supplier=Electro+Sonic, ComponentLink7URL=http://datasheet.octopart.com/PJ-050AH-CUI-datasheet-103111417.pdf?src-supplier=Electro+Sonic, ComponentLink8Description=http://datasheet.octopart.com/PJ-050AH-CUI-datasheet-34390405.pdf?src-supplier=Future+Electronics, ComponentLink8URL=http://datasheet.octopart.com/PJ-050AH-CUI-datasheet-34390405.pdf?src-supplier=Future+Electronics, ComponentLink9Description=http://datasheet.octopart.com/PJ-050AH-CUI-datasheet-62073522.pdf?src-supplier=Future+Electronics, ComponentLink9URL=http://datasheet.octopart.com/PJ-050AH-CUI-datasheet-62073522.pdf?src-supplier=Future+Electronics, ComponentLink10Description=http://datasheet.octopart.com/PJ-050AH-CUI-datasheet-102985732.pdf?src-supplier=Future+Electronics, ComponentLink10URL=http://datasheet.octopart.com/PJ-050AH-CUI-datasheet-102985732.pdf?src-supplier=Future+Electronics, ComponentLink11Description=https://datasheet.ciiva.com/11720/0900766b805694d6-11720273.pdf?src-supplier=RSComponents, ComponentLink11URL=https://datasheet.ciiva.com/11720/0900766b805694d6-11720273.pdf?src-supplier=RSComponents, ComponentLink12Description=https://datasheet.ciiva.com/1115/28897-1115898.pdf?src-supplier=Newark, ComponentLink12URL=https://datasheet.ciiva.com/1115/28897-1115898.pdf?src-supplier=Newark, ComponentLink13Description=https://datasheet.ciiva.com/8066/1700582-8066298.pdf?src-supplier=Element14, ComponentLink13URL=https://datasheet.ciiva.com/8066/1700582-8066298.pdf?src-supplier=Element14, ComponentLink14Description=https://datasheet.ciiva.com/29365/738882-da-01-ml-netzger-einbaukuppl-neb-21-r-de-en-fr-29365351.pdf?src-supplier=Conrad, ComponentLink14URL=https://datasheet.ciiva.com/29365/738882-da-01-ml-netzger-einbaukuppl-neb-21-r-de-en-fr-29365351.pdf?src-supplier=Conrad, ComponentLink15Description=http://datasheet.octopart.com/NEB-21-R-Lumberg-datasheet-15206778.pdf?src-supplier=Newark, ComponentLink15URL=http://datasheet.octopart.com/NEB-21-R-Lumberg-datasheet-15206778.pdf?src-supplier=Newark, ComponentLink16Description=http://datasheet.octopart.com/NEB-21-R-Lumberg-datasheet-103789672.pdf?src-supplier=Farnell, ComponentLink16URL=http://datasheet.octopart.com/NEB-21-R-Lumberg-datasheet-103789672.pdf?src-supplier=Farnell, ComponentLink17Description=http://datasheet.octopart.com/NEB-21-R-Lumberg-datasheet-136395310.pdf?src-supplier=Toby+Electronics, ComponentLink17URL=http://datasheet.octopart.com/NEB-21-R-Lumberg-datasheet-136395310.pdf?src-supplier=Toby+Electronics, Connector Type=Jack, Contact Gender=Male, Contact Material=Copper, Contact Plating=Nickel, Depth=14.5mm, Gender=Male, Housing Color=Black, Housing Material=Thermoplastic, Inside Diameter=6mm, Lead Free="Lead Free", Length=9mm, Mount="Through Hole", Number of Conductors=2, Number of Pins=2, Number of Ports=1, Number of Terminals=3, Orientation=Horizontal, Packaging=Bulk, Pricing 1="1=0.78000, 10=0.68800, 50=0.62100, 100=0.59400, 1000=0.43200, 10000=0.39100 (USD)", Pricing 2="1=0.86400, 25=0.82100, 50=0.78300, 100=0.72900, 250=0.68600 (USD)", REACH SVHC="No SVHC", Shielding=Unshielded, Stock 1=2665, Stock 2=56, Supplier 1=Mouser, Supplier 2=Newark, Supplier 3=Digi-Key, Supplier 4=Element14, Supplier Part Number 2=97K6458, Supplier Part Number 3=CP-050AH-ND, Supplier Part Number 4=1217037, Termination=Solder, Voltage Rating (AC)=12V, Voltage Rating (DC)=12V